# KiCad board M17_3310.kicad_pcb (continued)
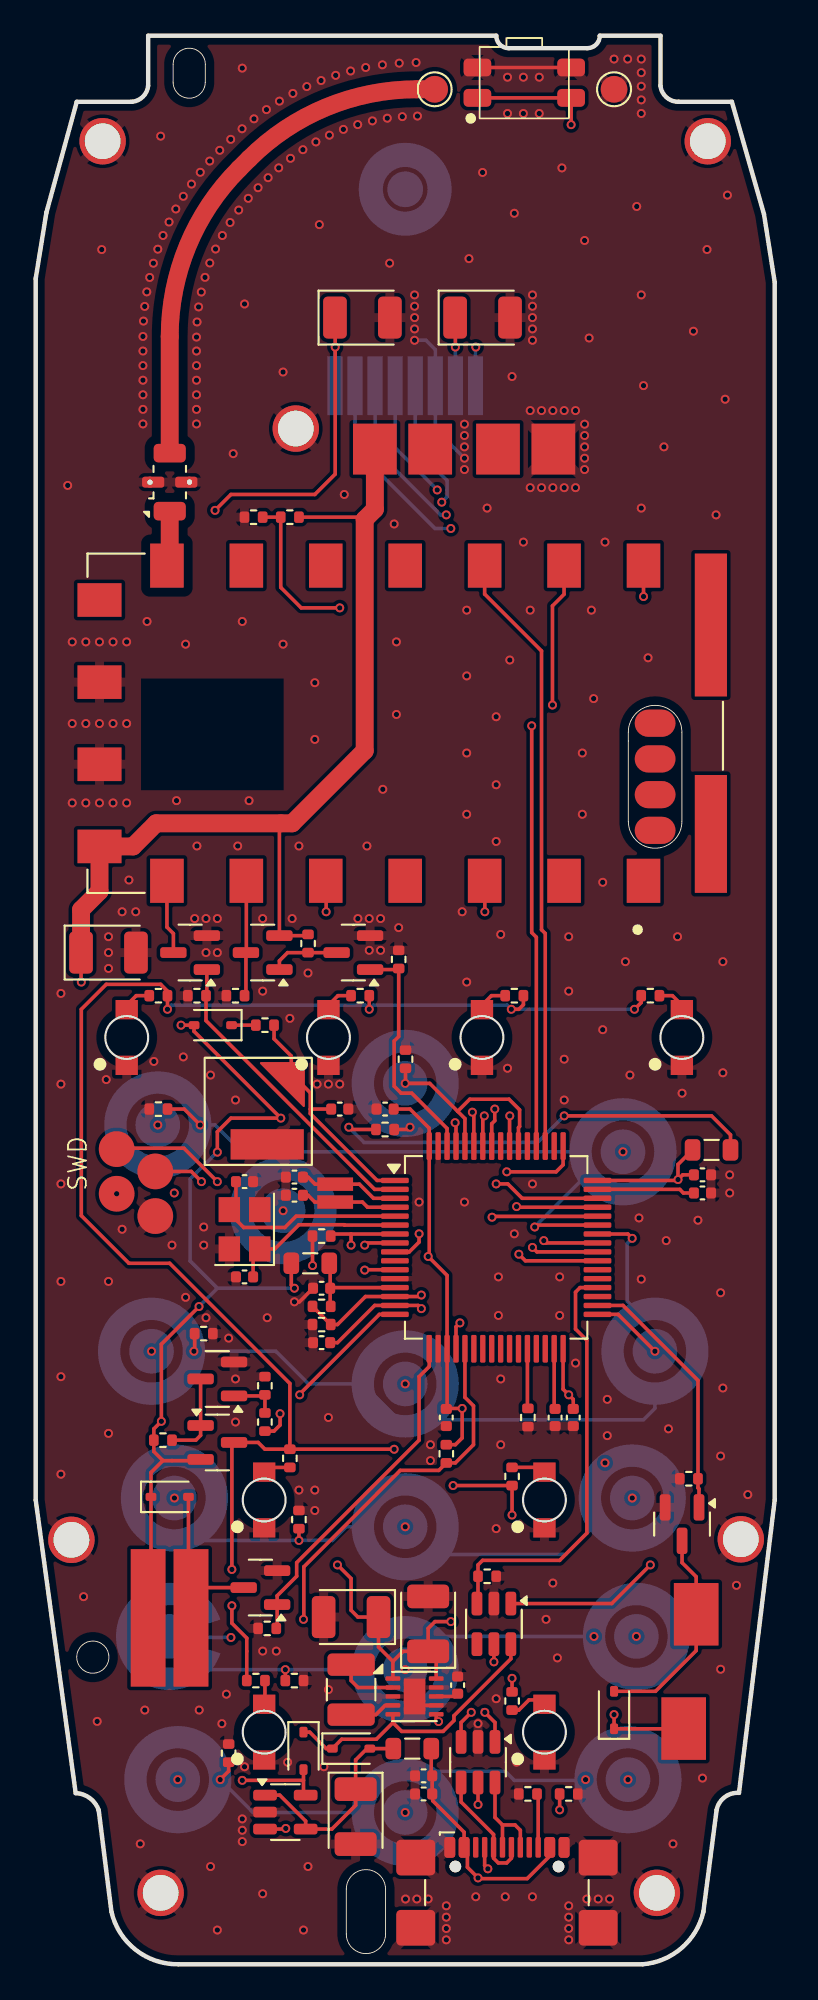
[diagram p0: board, top side]
## Footprints (pads in the part's own frame, mm; a bottom-side part is the same pattern mirrored in y, then rotated) (continued)
SIDE PUSH 2.2NF 4.7x3.2x1.65mm
  rrect 1.55x1 smd: 1(2.625,0.85) 2(2.625,-0.85) 3(-2.625,0.85) 4(-2.625,-0.85)
SOT-23
  rrect 1.475x0.6 smd: 1(-0.938,0.95) 2(-0.938,-0.95) 3(0.938,0)
SOT-23-6
  rrect 1.325x0.6 smd: 1(-1.137,0.95) 2(-1.137,0) 3(-1.137,-0.95) 4(1.137,-0.95) 5(1.137,0) 6(1.137,0.95)
TestPoint_Pad_D1.5mm
  round 1.5 smd: 1(0,0)
TSOT-23-5
  rrect 1.325x0.6 smd: 1(-1.137,0.95) 2(-1.137,0) 3(-1.137,-0.95) 4(1.137,-0.95) 5(1.137,0.95)
TSOT-23-6
  rrect 1.325x0.6 smd: 1(-1.137,0.95) 2(-1.137,0) 3(-1.137,-0.95) 4(1.137,-0.95) 5(1.137,0) 6(1.137,0.95)
USB_C_Receptacle_GCT_USB4110
  round 0.65 hole 0.65 unplated: (-2.89,2.605) (2.89,2.605)
  rrect 0.6x1.15 smd: A1(-3.2,3.68) A4(-2.4,3.68) A9(2.4,3.68) A12(3.2,3.68) B1(3.2,3.68) B4(2.4,3.68) B9(-2.4,3.68) B12(-3.2,3.68)
  rrect 0.3x1.15 smd: A5(-1.25,3.68) A6(-0.25,3.68) A7(0.25,3.68) A8(1.25,3.68) B5(1.75,3.68) B6(0.75,3.68) B7(-0.75,3.68) B8(-1.75,3.68)
  rrect 2.18x2 smd: S1(-5.11,3.105) S1(-5.11,-0.825) S1(5.11,3.105) S1(5.11,-0.825)
WSON-10-1EP_2.5x2.5mm_P0.5mm_EP1.2x2mm
  rrect 0.48x0.81 smd: (-0.3,0.5) (-0.3,-0.5) (0.3,0.5) (0.3,-0.5)
  rrect 0.825x0.25 smd: 1(-1.212,1) 2(-1.212,0.5) 3(-1.212,0) 4(-1.212,-0.5) 5(-1.212,-1) 6(1.212,-1) 7(1.212,-0.5) 8(1.212,0) 9(1.212,0.5) 10(1.212,1)
  rect 1.2x2 smd: 11(0,0)
xtal_smd_32k
  rect 2x0.75 smd: 1(0,0.5) 2(0,-0.5)

## Nets
+3V3: C14.1 C15.1 C17.1 D3.2 D4.1 D8.1 FB1.2 FB2.1 J5.1 J6.1 J7.8 Q6.2 R18.2 R28.2 U5.1 U5.10
/Interfaces/5V_USB: C18.1 D1.2 FB3.1 U3.1 U3.4
GND: BT1.2 C1.2 C2.2 C3.1 C4.1 C5.1 C6.1 C7.2 C8.2 C9.2 C10.2 C11.2 C12.1 C13.1 C14.2 C15.2 C16.2 C17.2 C18.2 C19.2 C20.2 C21.2 C22.1 D5.1 D6.1 D7.1 D9.1 D10.1 D11.1 D12.1 D13.1 FL1.2 FL1.4 H1.1 H2.1 H3.1 H4.1 H5.1 H6.1 H7.1 J1.4 J3.1 J4.4 J7.3 J8.A1 J8.A12 J8.B1 J8.B12 J8.S1 Q1.2 Q3.2 Q4.2 Q5.2 Q7.2 R1.2 R4.1 R6.1 R7.1 R9.1 R10.1 R12.1 R13.1 R15.1 R17.1 R20.1 R29.2 R30.2 R31.1 R32.1 R33.1 R34.1 R35.1 SW1.2 SW1.4 U1.12 U1.18 U1.63 U2.9 U2.10 U3.2 U4.2 U5.3 U5.7 U5.9 U5.11 U6.2 Y1.2 Y1.4
/COL_1: SW3.1 SW4.1 SW5.1 SW6.1 SW7.1 U1.33
/COL_2: SW8.1 SW9.1 SW10.1 SW11.1 SW12.1 U1.11
/COL_3: SW13.1 SW14.1 SW15.1 SW16.1 SW17.1 U1.9
/Interfaces/BOOT0: R1.1 SW2.1 U1.54 U1.60
/Interfaces/BUZZ: Q7.1 R20.2 U1.34
/Interfaces/DISP_D/C: J7.5 U1.59
/Interfaces/DISP_SCK: J7.7 U1.55
/Interfaces/DISP_SDIN: J7.6 U1.57
/Interfaces/PWM_BLIGHT: R16.1 U1.16
/Interfaces/UDB_DM: U1.44 U6.3
/Interfaces/USB_DP: U1.45 U6.1
/Interfaces/VIBR: Q4.1 R15.2 U1.17
/Interfaces/~{DISP_CE}: J7.4 U1.58
/Interfaces/~{DISP_RST}: J7.1 U1.61
/MCU/BATT_MEAS: C12.2 R11.1 R12.2 U1.15
/MCU/BSB_IN: R3.1 R4.2 U1.14 U2.3
/MCU/BSB_OUT: U1.20 U2.18
/MCU/MCU_VDD: C7.1 C8.1 C9.1 C10.1 FB2.2 R2.1 R5.1 U1.19 U1.32 U1.48 U1.64
/MCU/MCU_VDDA: C6.2 FB1.1 R3.2 U1.13
/MCU/NRST: J1.1 R2.2 U1.7
/MCU/PTT_OUT: U1.8 U2.5
/MCU/PWR_OFF: R13.2 U1.36 U4.3
/MCU/RF_ENA: Q3.1 R10.2 U1.62
/MCU/RF_PWR: Q1.1 R7.2 U1.2
/MCU/RF_RX: U1.52 U2.17
/MCU/RF_TX: U1.51 U2.16
/MCU/RTC_BATT: BT1.1 C5.2 R14.1 U1.1
/MCU/SWCLK: J1.3 U1.49
/MCU/SWDIO: J1.2 U1.46
/MCU/X1: C2.1 U1.5 Y1.3
/MCU/X1_32k: C21.1 U1.3 Y2.1
/MCU/X2: C1.1 U1.6 Y1.1
/MCU/X2_32k: C22.2 U1.4 Y2.2
/MCU/~{CHG}: R5.2 U1.21 U3.3
/PMU/U_BATT: C11.1 D2.2 J4.1 Q2.2 R8.2 R11.2 U2.8 U3.5
/ROW_1: R31.2 SW3.2 SW8.2 SW13.2 U1.43
/ROW_2: R32.2 SW4.2 SW9.2 SW14.2 U1.42
/ROW_3: R33.2 SW5.2 SW10.2 SW15.2 U1.41
/ROW_4: R34.2 SW6.2 SW11.2 SW16.2 U1.40
/ROW_5: R35.2 SW7.2 SW12.2 SW17.2 U1.39
Net-(D1-K): D1.1 D2.1 U4.6 U5.5
Net-(D3-K): D3.1 R14.2
Net-(D4-A): D4.2 J5.2 Q4.3
Net-(D5-A): D5.2 R19.2
Net-(D6-A): D6.2 R21.2
Net-(D7-A): D7.2 R22.2
Net-(D8-A): D8.2 J6.2 Q7.3
Net-(D9-A): D9.2 R23.2
Net-(D10-A): D10.2 R24.2
Net-(D11-A): D11.2 R25.2
Net-(D12-A): D12.2 R26.2
Net-(D13-A): D13.2 R27.2
Net-(FL1-IN): FL1.1 U2.12
Net-(FL1-OUT): FL1.3 J2.1
Net-(J7-Pin_2): C16.1 J7.2
Net-(J8-CC1): J8.A5 R29.1
Net-(J8-CC2): J8.B5 R30.1
Net-(J8-D+-PadA6): J8.A6 J8.B6 U6.6
Net-(J8-D--PadA7): J8.A7 J8.B7 U6.4
Net-(Q1-D): Q1.3 U2.7
Net-(Q2-D): Q2.3 R9.2 U2.6
Net-(Q2-G): Q2.1 Q3.3 R8.1
Net-(Q5-D): Q5.3 Q6.1 R18.1
Net-(Q5-G): Q5.1 R16.2 R17.2
Net-(Q6-D): Q6.3 R19.1 R21.1 R22.1 R23.1 R24.1 R25.1 R26.1 R27.1
Net-(R28-Pad1): R28.1 SW2.2
Net-(SW1-K): SW1.1 SW1.3 U4.1
Net-(U1-PB2): R6.2 U1.28
Net-(U1-VCAP_1): C3.2 U1.31
Net-(U1-VCAP_2): C4.2 U1.47
Net-(U4-OUT): U4.5 U5.6
Net-(U5-L1): L1.1 U5.4
Net-(U5-L2): L1.2 U5.2
Net-(U5-VINA): C13.2 U5.8
Net-(U6-VBUS): C19.1 C20.1 FB3.2 J8.A4 J8.A9 J8.B4 J8.B9 U6.5

Pads without a net: J4 2 3; J8 A8 B8; LS1 1 2; U1 10 22 23 24 25 26 27 29 30 35 37 38 50 53 56; U2 1 2 4 11 13 14 15 19 20 21 22 P2 P3; U4 4

## Via types
v1: diameter 0.5, hole 0.3, Top to Bottom, 433 vias

## Routing (per net, layer and track width the routed paths; a pad name or vN(x,y) marks a point on that pad's centre or on a via; arc(x,y) is an arc through that point)
+3V3: length 172.5
  Top w0.2: C14.1 21.99,18.81 22.37,19.19 v1(23.26,19.19) ; C14.1 20.58,17.53 20.01,16.96 ; C14.1 22.44,17.07 U5.10 ; FB1.2 14.32,38.03 v1(14.49,37.86) ; 7.12,28.2 6.46,27.54 D4.1 6.46,19.56 J5.1 ; 7.12,28.2 9.17,28.2 Q6.2 ; 7.12,28.2 6.62,28.71 6.62,29.98 v1(7.04,30.41) 7.04,34.72 v1(9.15,36.83) ; 20.01,16.96 19.21,17.77 C15.1 18.05,19.44 17.67,19.82 17.67,21.6 v1(16.91,22.36) ; 20.01,16.96 U5.1 ; v1(8.14,52.59) 8.87,52.59 8.87,52.24 v1(13.73,47.38) 10.94,47.38 10.18,46.62 v1(10.18,45.48) ; v1(29.61,47.51) 37.86,47.51 38.92,46.45 FB2.1 ; C17.1 16.78,92.2 v1(16.78,90.56) 16.78,83.45 15.64,82.31 10.94,82.31 v1(10.05,81.42) ; J6.1 36.29,13.19 32.4,13.19 v1(32.4,13.98) ; v1(17.54,46.88) 17.67,46.75 R28.2
  In1.Cu w0.2: v1(13.73,47.38) 14.24,46.88 v1(17.54,46.88) ; v1(10.05,81.42) 10.05,60.72 8.14,58.81 v1(8.14,52.59)
  In2.Cu w0.2: v1(23.26,19.19) 25.67,19.19 30.88,13.98 v1(32.4,13.98) ; v1(16.91,22.36) 13.88,22.36 7.04,29.2 v1(7.04,30.41)
  Bottom w0.2: 10.18,37.86 v1(9.15,36.83) ; 10.18,37.86 8.65,39.38 8.65,43.97 10.16,45.48 v1(10.18,45.48) ; 10.18,37.86 v1(14.49,37.86) ; J7.8 16.76,90.55 v1(16.78,90.56) ; v1(29.61,47.51) 28.12,46.02 18.39,46.02 v1(17.54,46.88)
/Interfaces/5V_USB: length 11.8
  Top w0.2: 12.59,9.47 13.67,9.47 15.12,8.02 U3.4 16.59,7.57 17.92,8.9 17.92,11.44 18.56,12.08 FB3.1
GND: length 16.2
  Top w0.2: v1(14.49,37.1) 14.78,37.1 C6.1 ; SW1.2 SW1.4 ; U5.7 21.72,14.5 U5.11
  Bottom w0.2: v1(24.02,84.34) 22.39,85.97 J7.3 22.39,90.42 21.86,90.94 v1(21.22,90.94)
  vias: v1(1.41,54.37) v1(1.41,49.29) v1(1.41,43.7) v1(1.41,38.24) v1(1.41,32.91) v1(1.41,27.44) v1(1.79,82.82) v1(2.05,74.05) v1(2.05,69.48) v1(2.05,65.04) v1(2.68,20.59) v1(2.81,74.05) v1(2.81,69.48) v1(2.81,65.04) v1(3.44,13.6) v1(3.57,74.05) v1(3.57,69.48) v1(3.57,65.04) v1(3.7,96.03) v1(3.95,49.54) v1(4.08,57.54) v1(4.08,56.66) v1(4.08,55.77) v1(4.08,38.24) v1(4.08,29.73) v1(4.33,74.05) v1(4.33,69.48) v1(4.33,65.04) v1(4.84,58.94) v1(4.84,41.16) v1(5.09,74.05) v1(5.09,69.48) v1(5.09,65.04) v1(5.22,60.72) v1(5.6,58.94) v1(5.86,6.74) v1(6.04,92.02) v1(6.01,91.16) v1(6.01,90.34) v1(6.01,89.53) v1(6.01,88.71) v1(6.01,87.89) v1(6.01,87.08) v1(6.01,86.26) v1(6.11,92.84) v1(6.11,14.24) v1(6.22,93.66) v1(6.24,75.2) v1(6.39,94.46) v1(6.59,95.26) v1(6.62,50.56) v1(6.84,96.05) v1(7,102.38) v1(7.13,96.82) v1(7.47,97.57) v1(7.64,40.27) v1(7.85,98.3) v1(7.89,65.16) v1(8.27,99.01) v1(8.27,50.81) v1(8.4,73.93) v1(8.4,37.35) v1(8.72,99.69) v1(8.91,58.56) v1(9.04,91.97) v1(9.01,91.12) v1(9.01,90.34) v1(9.01,89.53) v1(9.01,88.71) v1(9.01,87.89) v1(9.01,87.08) v1(9.01,86.26) v1(9.03,62.62) v1(9.13,92.81) v1(9.22,100.35) v1(9.16,14.24) v1(9.28,93.65) v1(9.41,41.29) v1(9.41,40.27) v1(9.48,94.47) v1(9.54,58.56) v1(9.54,56.66) v1(9.54,36.21) v1(9.75,100.98) v1(9.75,95.27) v1(9.79,49.8) v1(9.79,5.47) v1(10.08,96.05) v1(10.18,58.56) v1(10.18,56.66) v1(10.18,1.92) v1(10.31,101.58) v1(10.43,13.47) v1(10.46,96.81) v1(10.68,15.13) v1(10.81,35.06) v1(10.92,102.2) v1(10.89,97.54) v1(11.06,84.59) v1(11.19,48.4) v1(11.19,32.78) v1(11.19,30.37) v1(11.32,62.62) v1(11.37,98.24) v1(11.57,106.19) v1(11.56,102.79) v1(11.57,75.2) v1(11.57,8.14) v1(11.57,7.51) v1(11.57,6.87) v1(11.7,92.98) v1(11.7,11.06) v1(11.91,98.89) v1(11.95,65.16) v1(12.23,103.35) v1(12.46,99.49) v1(12.72,58.56) v1(12.72,54.5) v1(12.72,17.54) v1(12.72,3.95) v1(12.93,103.86) v1(13.02,100.05) v1(12.97,36.21) v1(13.48,17.54) v1(13.61,100.6) v1(13.65,104.34) v1(13.86,89.17) v1(13.86,73.93) v1(14.11,11.32) v1(14.24,52.97) v1(14.27,101.14) v1(14.41,104.77) v1(14.37,58.56) v1(14.75,62.62) v1(14.75,26.56) v1(14.97,101.62) v1(15,1.92) v1(15.19,105.15) v1(15.25,55.51) v1(15.25,5.47) v1(15.64,71.77) v1(15.64,68.59) v1(15.64,26.56) v1(15.64,25.41) v1(15.7,102.05) v1(15.76,49.29) v1(15.89,97.42) v1(15.99,105.49) v1(16.14,11.06) v1(16.4,49.29) v1(16.4,30.62) v1(16.4,15.38) v1(16.45,102.43) v1(16.81,105.78) v1(17.03,49.29) v1(17.24,102.76) v1(17.29,82.31) v1(17.64,106.03) v1(18.04,103.02) v1(18.05,58.56) v1(18.49,106.22) v1(18.56,62.62) v1(18.68,58.56) v1(18.68,56.78) v1(18.86,103.23) v1(19.32,58.56) v1(19.32,56.78) v1(19.42,106.37) v1(19.45,65.8) v1(19.7,103.38) v1(19.83,95.26) v1(20.08,80.66) v1(20.21,74.05) v1(20.21,69.99) v1(20.34,58.05) v1(20.36,106.46) v1(20.54,103.47) v1(20.72,3.66) v1(21.22,93.48) v1(21.22,92.85) v1(21.22,92.22) v1(21.22,91.58) v1(21.31,106.5) v1(21.38,103.5) v1(21.35,3.66) v1(21.48,42.69) v1(21.99,3.66) v1(22.11,29.1) v1(22.11,28.21) v1(23,3.27) v1(23,2.64) v1(23,2) v1(23,1.37) v1(23.89,58.94) v1(24.02,86.25) v1(24.02,85.61) v1(24.02,84.98) v1(24.02,83.71) v1(24.02,42.69) v1(24.15,75.83) v1(24.15,72.15) v1(24.15,67.83) v1(24.15,64.4) v1(24.15,55) v1(24.27,95.52) v1(24.65,3.78) v1(24.78,13.47) v1(25.03,100.34) v1(25.29,81.55) v1(25.8,69.86) v1(25.8,66.05) v1(25.8,62.88) v1(25.8,24.4) v1(25.8,14.87) v1(25.92,38.49) v1(25.92,36.33) v1(26.05,57.67) v1(26.05,32.78) v1(26.05,29.1) v1(26.3,3.78) v1(26.43,105.68) v1(26.43,103.65) v1(26.43,50.18) v1(26.56,73.04) v1(26.69,88.91) v1(26.81,98.06) v1(26.81,40.91) v1(26.94,11.32) v1(27.32,105.68) v1(27.32,103.65) v1(27.32,79.64) v1(27.7,87.01) v1(27.7,82.69) v1(27.7,75.83) v1(27.83,93.48) v1(27.83,92.85) v1(27.83,92.22) v1(27.83,91.58) v1(27.83,90.94) v1(27.83,43.7) v1(27.83,3.78) v1(28.21,105.68) v1(28.21,103.65) v1(28.34,87.01) v1(28.34,82.69) v1(28.59,19.32) v1(28.97,87.01) v1(28.97,82.69) v1(28.97,21.35) v1(29.22,17.16) v1(29.35,38.49) v1(29.35,36.33) v1(29.48,100.6) v1(29.61,87.01) v1(29.61,82.69) v1(29.61,50.69) v1(29.61,48.4) v1(29.86,57.54) v1(29.86,54.5) v1(29.86,3.27) v1(29.86,2.64) v1(29.86,2) v1(29.86,1.37) v1(30.24,87.01) v1(30.24,82.69) v1(30.24,33.67) v1(30.62,67.83) v1(30.62,64.4) v1(30.75,96.53) v1(30.75,86.25) v1(30.75,85.61) v1(30.75,84.98) v1(30.75,84.34) v1(30.75,83.71) v1(30.88,3.66) v1(31,91.07) v1(31.13,75.83) v1(31.26,70.88) v1(31.51,3.66) v1(31.76,60.59) v1(31.76,52.34) v1(31.89,79.64) v1(32.02,31.64) v1(32.02,29.6) v1(32.15,3.66) v1(32.4,106.69) v1(33.03,56.15) v1(33.16,106.69) v1(33.29,49.8) v1(33.67,98.44) v1(33.8,41.8) v1(33.92,106.69) v1(33.92,105.93) v1(33.92,105.17) v1(33.92,104.41) v1(33.92,103.65) v1(33.92,93.48) v1(33.92,81.55) v1(33.92,38.37) v1(34.05,88.41) v1(34.31,73.17) v1(35.19,84.98) v1(35.32,40.53) v1(35.45,29.98) v1(35.7,6.74) v1(35.96,57.54) v1(36.21,48.78) v1(36.84,91.45) v1(37.1,41.67) v1(37.35,10.43) v1(37.61,96.03) v1(38.12,81.17) v1(38.37,37.61) v1(38.37,28.46) v1(38.37,16.52) v1(38.5,56.15) v1(38.5,49.92) v1(38.5,32.27) v1(38.62,87.64) v1(38.75,99.07) v1(38.88,44.21) v1(38.88,43.19) v1(39.26,21.22) v1(39.89,26.3)
/COL_1: length 40.8
  Top w0.2: v1(34.69,34.33) 32.62,36.39 U1.33
  In1.Cu w0.2: v1(32.9,45.5) 34.69,43.71 v1(34.69,34.33) 33.42,33.06 v1(33.42,26.11) 33.65,25.88 v1(33.65,18.36) 33.65,10.81 v1(33.18,10.34)
/COL_2: length 41.8
  Top w0.2: v1(18.43,38.88) 18.45,38.89 U1.11
  In1.Cu w0.2: 15.3,37.9 13.86,39.34 v1(13.86,42.2) ; 15.3,37.9 v1(20.7,32.5) v1(20.7,24.5) v1(20.7,16.5) v1(20.7,8.5) ; 15.3,37.9 16.27,38.88 v1(18.43,38.88)
/COL_3: length 62
  Top w0.2: U1.9 20.93,39.89 21.48,40.44 v1(21.48,40.91)
  In1.Cu w0.2: v1(6.84,47) 6.49,46.65 6.49,42.3 ; v1(21.48,40.91) 16.53,40.91 14.68,42.75 11.57,42.75 11.13,42.3 6.49,42.3 ; v1(10.94,18.3) 7.77,18.3 ; 6.49,42.3 v1(6.49,34.33) 7.77,33.05 v1(7.77,26.11) 7.77,10.53 v1(7.96,10.34)
  Bottom w0.2: v1(10.94,18.3) 7.56,18.3 SW16.1
/Interfaces/BOOT0: length 12.7
  Top w0.2: v1(20.7,49.33) 22.07,49.33 23.64,47.77 ; v1(20.7,49.33) 20.72,49.35 R1.1 ; v1(20.7,49.33) 20.66,49.29 ; U1.54 27.05,46.86 27.11,46.92 27.11,47.85 26.51,48.44 24.32,48.44 23.64,47.77 ; 23.64,47.77 24.05,47.36 U1.60
/Interfaces/BUZZ: length 14.5
  Top w0.2: U1.34 32.9,36.89 37.1,32.7 R20.2 37.1,26.69 37.16,26.62 Q7.1
/Interfaces/DISP_D/C: length 45.2
  Top w0.2: v1(24.46,47.72) 24.55,47.63 U1.59
  In1.Cu w0.2: v1(22.49,82.56) 21.88,81.95 21.88,49.78 23.94,47.72 v1(24.46,47.72)
  Bottom w0.2: v1(22.49,82.56) 20.14,84.92 J7.5
/Interfaces/DISP_SCK: length 47
  Top w0.2: U1.55 26.55,47.5 v1(26.56,47.51)
  In1.Cu w0.2: v1(26.56,47.51) 26.56,47.83 25.32,49.07 25,49.07 23.13,50.94 23.13,80.28 v1(23.26,80.4)
  Bottom w0.2: v1(23.26,80.4) 22.37,80.4 17.89,84.88 J7.7
/Interfaces/DISP_SDIN: length 46.1
  Top w0.2: U1.57 25.55,47.07 25.72,47.24 v1(25.72,47.89)
  In1.Cu w0.2: v1(23,81.17) 22.68,80.84 22.68,50.63 24.64,48.67 24.94,48.67 v1(25.72,47.89)
  Bottom w0.2: J7.6 19.01,84.84 22.68,81.17 v1(23,81.17)
/Interfaces/PWM_BLIGHT: length 10.4
  Top w0.2: U1.16 19.25,36.39 14.79,31.93 v1(14.79,31.89) ; v1(13.69,30.83) 13.69,30.2 13.35,29.86 R16.1
  In1.Cu w0.2: v1(14.79,31.89) 14.75,31.89 v1(13.69,30.83)
/Interfaces/UDB_DM: length 36.2
  Top w0.2: U1.44 31.46,41.88 25.61,41.88 v1(25.57,41.83) ; v1(24.4,14.11) 23.83,13.54 23.83,12.33
  In1.Cu w0.2: 24.48,14.19 24.48,40.75 v1(25.57,41.83)
  Bottom w0.2: v1(24.4,14.11) 24.48,14.19
/Interfaces/USB_DP: length 35.7
  Top w0.2: 25.73,12.33 25.73,13.54 v1(25.16,14.11) ; U1.45 26.97,42.39 v1(26.94,42.43)
  In1.Cu w0.2: v1(26.94,42.43) 25.03,40.53 25.03,14.24
  Bottom w0.2: v1(25.16,14.11) 25.03,14.24
/Interfaces/VIBR: length 19.2
  Top w0.2: 13.48,18.81 13.53,18.86 Q4.1 13.53,20.64 14.62,21.73 14.62,22.49 21.48,29.35 21.48,32.91 22.05,33.47 U1.17
/Interfaces/~{DISP_CE}: length 45.1
  Top w0.2: v1(25.13,47.51) 25.05,47.43 U1.58
  In1.Cu w0.2: v1(25.13,47.51) 25.13,47.83 24.69,48.27 24.28,48.27 22.28,50.27 22.28,81.41 v1(22.75,81.88)
  Bottom w0.2: v1(22.75,81.88) 23.04,82.17 23.04,83.09 21.26,84.87 J7.4
/Interfaces/~{DISP_RST}: length 49.1
  Top w0.2: v1(23.5,47.13) 23.55,47.08 U1.61
  In1.Cu w0.2: v1(23.5,47.13) 21.48,49.15 21.48,87.39 v1(24.65,90.56)
  Bottom w0.2: v1(24.65,90.56) 24.64,90.55 J7.1
/MCU/BATT_MEAS: length 59.4
  Top w0.2: R12.2 R11.1 13.73,77.11 14.87,75.96 v1(17.03,75.96) ; v1(21.6,36.72) 21.43,36.89 U1.15 18.99,36.89 16.91,34.81 C12.2
  In1.Cu w0.2: v1(21.6,36.72) 21.62,36.72
  In2.Cu w0.2: v1(17.03,75.96) 20.72,75.96 22.47,74.2 22.47,41.02 20.93,39.47 20.93,37.38 21.59,36.72 v1(21.6,36.72)
/MCU/BSB_IN: length 31.9
  Top w0.2: U2.3 25.16,60.66 v1(25.16,58.94) ; R3.1 16.52,35.83 R4.2 16.91,35.83 18.47,37.39 U1.14 21.52,37.39 v1(21.6,37.48)
  In2.Cu w0.2: v1(21.6,37.48) 22.88,38.75 22.88,56.66 v1(25.16,58.94)
/MCU/BSB_OUT: length 48.2
  Top w0.2: v1(23.76,35.92) 23.55,35.7 U1.20 ; U2.18 34.05,78.32 v1(34.05,76.59)
  In1.Cu w0.2: v1(34.05,76.59) 27.19,69.74 27.19,44.24 23.76,40.81 v1(23.76,35.92)
/MCU/MCU_VDD: length 62.6
  Top w0.2: 36.87,44.21 36.25,44.21 v1(35.98,43.94) ; v1(35.98,43.94) 35.93,43.89 U1.48 ; v1(35.98,43.94) 35.98,44.79 FB2.2 ; v1(15.51,39.13) 15.51,39.13 R2.1 ; R5.1 23.51,29.1 23.89,29.48 v1(23.89,31.13) 23.03,31.13 C7.1 23.05,31.14 U1.19 23.05,38.58 v1(21.99,39.64) 22.05,39.7 U1.64 22.05,46.82 20.97,47.89 C10.1 ; C8.1 30.11,31.64 v1(29.86,31.89) 29.55,32.2 U1.32
  In1.Cu w0.2: v1(21.99,39.64) 16.02,39.64 v1(15.51,39.13)
  In2.Cu w0.2: v1(23.89,31.13) 24.65,31.89 v1(29.86,31.89) 35.98,38.01 v1(35.98,43.94)
/MCU/MCU_VDDA: length 6.3
  Top w0.2: 16.44,39.38 16.5,39.33 C6.2 16.5,36.87 R3.2 ; 16.5,37.73 16.66,37.89 U1.13
/MCU/NRST: length 19.6
  Top w0.2: v1(10.18,43.83) 8.3,45.7 4.58,45.7 J1.1 ; U1.7 17.67,40.89 ; 17.67,40.89 v1(17.67,40.27) ; 17.67,40.89 16.54,40.89 16.53,40.91
  In2.Cu w0.2: v1(17.67,40.27) 13.73,40.27 v1(10.18,43.83)
/MCU/PTT_OUT: length 23
  Top w0.2: v1(18.43,40.27) 18.55,40.39 U1.8 ; U2.5 16.27,60.65 v1(16.27,58.94)
  In2.Cu w0.2: v1(16.27,58.94) 16.27,55 18.43,52.84 v1(18.43,40.27)
/MCU/PWR_OFF: length 24.1
  Top w0.2: U4.3 24.78,20.26 R13.2 24.78,22.36 25.03,22.62 29.35,22.62 30.88,24.14 30.88,34.94 30.24,35.57 30.24,37.64 30.5,37.89 U1.36
/MCU/RF_ENA: length 13.3
  Top w0.2: U1.62 23.05,46.8 21.07,48.78 20.47,48.78 20.08,49.17 20.08,51.7 20.34,51.96 R10.2 20.28,55.7 Q3.1
/MCU/RF_PWR: length 17.4
  Top w0.2: Q1.1 9.59,54.29 R7.2 9.54,52.84 18.99,43.39 U1.2
/MCU/RF_RX: length 33.4
  Top w0.2: v1(27.79,69.36) 27.79,57.78 28.05,57.52 U1.52 ; U2.17 29.6,76.72 28.95,76.07 v1(28.95,70.52)
  In1.Cu w0.2: v1(28.95,70.52) v1(27.79,69.36)
/MCU/RF_TX: length 33.9
  Top w0.2: U2.16 25.15,76.73 28.34,73.55 28.34,57.94 28.55,57.72 U1.51
/MCU/RTC_BATT: length 13.3
  Top w0.2: 15.38,47.89 15.38,47.64 19.12,43.89 U1.1 ; 15.38,47.89 C5.2 ; 15.38,47.89 15.38,48.8 BT1.1 14.32,50.86 13.35,51.83 R14.1
/MCU/SWCLK: length 24.5
  Top w0.2: J1.3 8.71,44.4 v1(9.29,43.83) ; v1(26.39,44.38) 29.15,44.38 29.55,44.77 U1.49
  In1.Cu w0.2: v1(9.29,43.83) 9.84,44.38 v1(26.39,44.38)
/MCU/SWDIO: length 27.5
  Top w0.2: v1(25.8,43.7) 26.45,43.7 27.25,42.89 U1.46
  In1.Cu w0.2: v1(25.8,43.7) 11.06,43.7 10.56,43.19 v1(7.76,43.19)
  In2.Cu w0.2: v1(4.53,43.15) 4.58,43.19 v1(7.76,43.19)
/MCU/X1: length 11.8
  Top w0.2: U1.5 14.59,41.89 13.96,41.26 11.65,41.26 10.85,42.06 10.85,42.26 11.22,42.63 C2.1
/MCU/X1_32k: length 5.6
  Top w0.2: C21.1 15.25,44.08 15.65,43.69 Y2.1 18.13,43.69 18.92,42.89 U1.3
/MCU/X2: length 9.9
  Top w0.2: C1.1 12.18,39.69 Y1.1 13.39,40.06 14.75,41.42 17.29,41.42 17.31,41.39 U1.6
/MCU/X2_32k: length 5.4
  Top w0.2: C22.2 15.25,43.07 15.64,42.69 Y2.2 18.3,42.69 18.59,42.39 U1.4
/MCU/~{CHG}: length 34.4
  Top w0.2: U1.21 24.05,31.75 24.53,31.27 24.53,29.1 23.51,28.08 R5.2 22.58,27.66 20.42,27.66 15.02,22.26 15.02,19.34 v1(15,19.32) ; v1(14.01,7.61) 13.97,7.57 12.59,7.57
  In1.Cu w0.2: v1(15,19.32) 15,8.6 v1(14.01,7.61)
/PMU/U_BATT: length 110.8
  Top w0.2: 13.73,63.89 13.65,63.82 Q2.2 15.19,57.61 R8.2 ; R11.2 18.3,81.04 18.43,80.91 ; C11.1 2.54,55.02 v1(2.56,55) ; v1(11.57,10.3) 15,10.3 ; 15,10.3 D2.2 ; 15,10.3 15,9.59 U3.5
  Top w1: J4.1 19,81.48 18.43,80.91 18.43,67.96 14.37,63.89 6.75,63.89 5.45,62.6 3.58,62.6 3.58,60.09 2.54,59.05 C11.1
  In1.Cu w0.2: v1(2.56,55) 2.56,27.09 4.71,24.93 4.71,11.95 7,9.66 10.94,9.66 v1(11.57,10.3)
/ROW_1: length 33.9
  Top w0.2: R31.2 8.32,47.89 v1(9.22,47) ; U1.43 28.06,41.39 v1(27.96,41.29)
  Bottom w0.2: 13.86,45.5 SW3.2 30.53,43.86 v1(27.96,41.29) ; 13.86,45.5 13.86,45.5 SW8.2 ; 13.86,45.5 11.55,45.5 10.05,47 9.22,47 v1(9.22,47)
/ROW_2: length 36.3
  Top w0.2: v1(8.87,34.33) 8.9,34.37 8.9,35.32 ; U1.42 33.17,40.89 v1(33.42,40.65)
  Bottom w0.2: v1(8.87,34.33) 13.45,34.33 15.28,32.5 SW9.2 20.33,30.49 34.05,30.49 34.69,31.13 SW4.2 ; v1(33.42,40.65) 33.14,40.38 33.14,37.12 33.92,36.33
/ROW_3: length 39.6
  Top w0.2: v1(28.46,40.53) 28.59,40.39 U1.41 ; R33.2 v1(14.75,23.73)
  In1.Cu w0.2: v1(28.46,40.53) 28.46,31.51 v1(31.89,28.08)
  Bottom w0.2: SW15.2 v1(14.75,23.73) 16.62,23.73 17.39,24.5 SW10.2 ; SW5.2 31.04,24.31 29.68,22.95 22.24,22.95
/ROW_4: length 53
  Top w0.2: U1.40 28.08,39.89 v1(27.83,40.14) ; v1(13.99,16.5) 13.98,16.5 R34.2
  In1.Cu w0.2: v1(27.83,40.14) 27.83,30.87 31.28,27.43 v1(31.28,18.36)
  Bottom w0.2: 6.98,16.5 v1(13.99,16.5) SW11.2 18.32,17.05 19.63,18.36 v1(31.28,18.36)
/ROW_5: length 59.6
  Top w0.2: R35.2 10.81,10.81 v1(10.34,10.34) ; U1.39 27.44,39.39 v1(27.07,39.76)
  In1.Cu w0.2: v1(30.81,10.34) 30.37,10.78 30.37,27.06 27.07,30.37 v1(27.07,39.76)
  Bottom w0.2: v1(10.34,10.34) 12.18,8.5 SW12.2 18.32,9.31 19.83,10.81 26.3,10.81 26.81,10.3 30.76,10.3 v1(30.81,10.34)
Net-(D1-K): length 15.9
  Top w0.2: D2.1 15.35,13 16.27,12.08 D1.1 17.14,12.6 19.08,12.6 20.01,13.53 ; U4.6 26.62,17.11 23.43,13.92 23.43,13.65 22.82,13.04 20.5,13.04 20.01,13.53 ; 20.01,13.53 U5.5
Net-(D3-K): length 1.4
  Top w0.2: R14.2 D3.1
Net-(D4-A): length 11.1
  Top w0.2: D4.2 8.56,19.54 J5.2 8.7,20.51 9.29,21.09 Q4.3
Net-(D5-A): length 1.5
  Top w0.2: R19.2 5.63,54.24 5.09,53.71
Net-(D6-A): length 1.5
  Top w0.2: R21.2 16.93,54.24 16.39,53.71
Net-(D7-A): length 1.5
  Top w0.2: R22.2 25.53,54.24 24.99,53.71
Net-(D8-A): length 12
  Top w0.2: D8.2 34.72,15.29 37,17.57 J6.2 37,21.7 36.21,22.49 Q7.3
Net-(D9-A): length 1.5
  Top w0.2: 36.21,53.71 35.67,54.24 R23.2
Net-(D10-A): length 1.5
  Top w0.2: 12.79,27.81 12.81,27.82 R24.2
Net-(D11-A): length 1.8
  Top w0.2: R25.2 28.48,27.83 28.51,27.81
Net-(D12-A): length 1.1
  Top w0.2: 12.79,14.81 12.84,14.85 12.84,15.89
Net-(D13-A): length 2.1
  Top w0.2: 28.47,14.85 28.51,14.81 ; R27.2 27.06,14.24 27.63,14.81 28.49,14.81
Net-(FL1-IN): length 3.1
  Top w0.2: 7.51,78.48 U2.12
  Top w1: FL1.1 7.51,78.48
Net-(FL1-OUT): length 29.2
  Top w1: FL1.3 7.51,91.16 arc(8.52,96.24) 11.4,100.55 11.96,101.11 arc(16.27,103.99) 21.35,105 J2.1
Net-(J7-Pin_2): length 3.8
  Top w0.2: C16.1 23.51,92.2 v1(23.51,90.56) 23.5,90.58
  Bottom w0.2: v1(23.51,90.56) 23.51,90.56 J7.2
Net-(J8-CC1): length 7.6
  Top w0.2: 25.15,6.54 25.15,5.53 v1(25.33,5.35) ; R29.1 29.35,9.54 v1(29.35,8.65)
  In1.Cu w0.2: v1(25.33,5.35) 26.05,5.35 v1(29.35,8.65)
Net-(J8-CC2): length 3
  Top w0.2: J8.B5 28.15,9.47 R30.1
Net-(J8-D+-PadA6): length 5.2
  Top w0.2: 26.15,7.8 26.15,7 ; 26.15,7.8 25.73,8.22 25.73,9.92 ; 26.15,7.8 26.85,7.8 27.15,7.51 J8.B6
Net-(J8-D--PadA7): length 6.2
  Top w0.2: 25.65,6.87 25.65,7.27 23.83,9.09 23.83,9.92 ; J8.B7 25.65,5.94 25.92,5.68 26.38,5.68 26.65,5.94 J8.A7
Net-(Q1-D): length 4.2
  Top w0.2: Q1.3 7.71,57.72 7.35,58.08 U2.7
Net-(Q2-D): length 6.5
  Top w0.2: R9.2 11.78,54.32 Q2.3 11.8,56.68 U2.6
Net-(Q2-G): length 3.9
  Top w0.2: Q3.3 16.86,56.65 R8.1 14.11,56.65 13.65,56.2 Q2.1
Net-(Q5-D): length 4.9
  Top w0.2: R18.1 8.97,29.35 9.24,29.62 Q6.1 Q5.3
Net-(Q5-G): length 2.8
  Top w0.2: R16.2 R17.2 12.78,31.83 Q5.1
Net-(Q6-D): length 108.8
  Top w0.2: R24.1 12.84,28.84 12.46,29.22 Q6.3 10.99,29.1 v1(10.99,22.11) ; R24.1 20.08,28.84 v1(20.08,28.84) ; R24.1 14.24,32.52 7.51,39.26 5.22,39.26 2.56,41.92 2.56,53.48 3.95,54.88 7,54.88 7.38,54.49 R19.1 7.38,53.48 v1(7.38,53.48) ; R23.1 33.92,53.86 v1(33.54,53.48) ; v1(26.69,25.16) R25.1 26.68,26.81 v1(23.38,26.81) ; v1(10.99,20.08) 10.99,19.1 11.82,18.27 R26.1 ; R22.1 27.32,53.74 27.07,53.48 v1(26.64,53.48) ; R21.1 18.68,54.24 v1(18.68,53.48) ; R27.1 v1(26.69,16.01)
  In1.Cu w0.2: v1(26.69,16.01) v1(26.69,25.16) ; v1(10.99,20.08) v1(10.99,22.11)
  In2.Cu w0.2: v1(23.38,26.81) 22.11,26.81 v1(20.08,28.84)
  Bottom w0.2: v1(33.54,53.48) v1(26.64,53.48) 26.41,53.71 18.91,53.71 v1(18.68,53.48) 18.45,53.71 7.61,53.71 v1(7.38,53.48)
Net-(R28-Pad1): length 0.9
  Top w0.2: R28.1 20.84,46.75 v1(20.97,46.88)
Net-(SW1-K): length 103.8
  Top w0.2: SW1.1 SW1.3 v1(30,103.02) ; v1(34.43,22.36) 32.27,20.2 U4.1
  In1.Cu w0.2: v1(30,103.02) 32.39,103.02 39.77,95.64 39.77,27.7 v1(34.43,22.36)
Net-(U1-PB2): length 3.4
  Top w0.2: U1.28 27.55,31.16 R6.2
Net-(U1-VCAP_1): length 3.4
  Top w0.2: U1.31 29.05,31.15 C3.2
Net-(U1-VCAP_2): length 5.5
  Top w0.2: U1.47 36.08,43.39 36.28,43.19 36.87,43.19
Net-(U4-OUT): length 6.1
  Top w0.2: v1(22.57,13.59) 22.44,13.72 U5.6 ; v1(25.67,16.94) U4.5
  In2.Cu w0.2: v1(25.67,16.94) 25.67,16.69 v1(22.57,13.59)
Net-(U5-L1): length 2.6
  Top w0.2: L1.1 19.06,13.98 19.58,14.5 U5.4
Net-(U5-L2): length 3.4
  Top w0.2: L1.2 17.67,15.89 18.06,15.5 U5.2
Net-(U5-VINA): length 1.3
  Top w0.2: U5.8 23.48,15 C13.2
Net-(U6-VBUS): length 17.6
  Top w0.2: 22.24,9.54 22.24,9.16 24,7.4 24,6.87 ; C20.1 C19.1 22.16,10.61 FB3.2 ; 24.78,9.92 v1(24.78,8.94) ; J8.A4 24,6.25 24.19,6.07 24.19,5.43 v1(24.78,4.84) 24.82,4.8 27.53,4.8 28.8,6.06
  In1.Cu w0.2: v1(24.78,8.94) v1(24.78,4.84)

## Copper pours and planes (outline as drawn; the poured copper is in the pictures)
GND on Top, Bottom, In1.Cu, In2.Cu: 0,0 41.4,0 41.4,108 0,108

## Text on the board
B.Silkscreen: Mainboard replacement / for Nokia 3310 | Wojciech SP5WWP / M17 Project, Nov 2024
F.Silkscreen: SWD
